# Allegro board AX7021-2019-04-01.brd (continued)
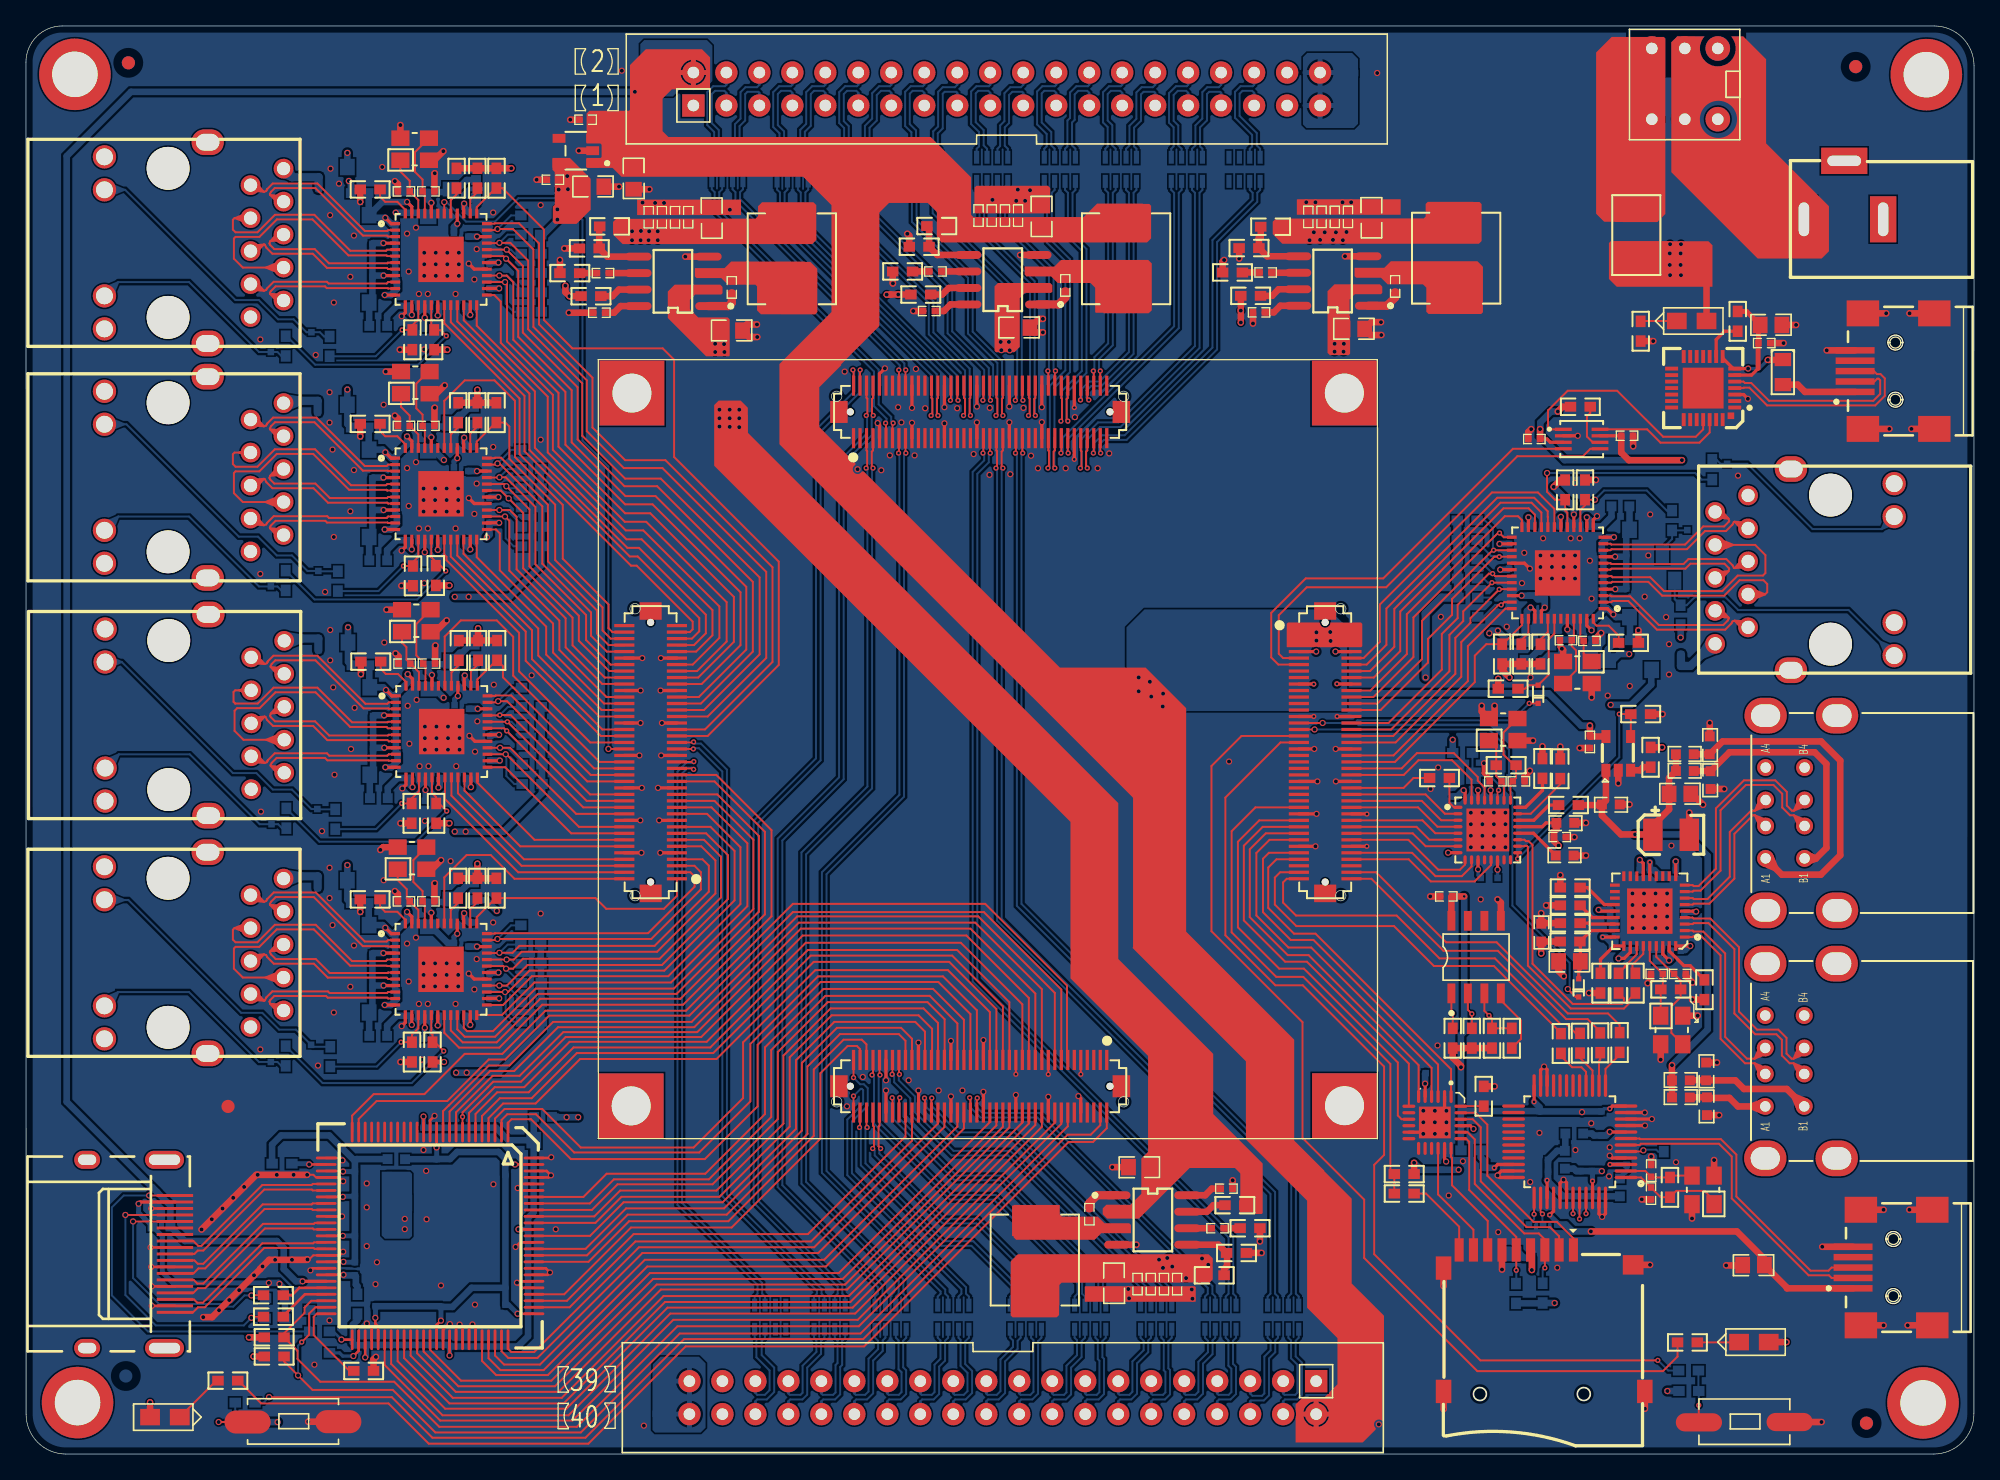
[diagram p0: board, top side]
## Placement (name value [footprint] x y rotation side) (continued)
NOREF  -  [unnamed]  7.89 107.16 0 top
NOREF#2  -  [unnamed]  15.56 26.77 0 top
NOREF#3  -  [#2]  145.91 0.12 90 top
NOREF#4  -  [unnamed]  141.72 2.38 0 top
NOREF#5  -  [#2]  -0.01 8.55 0 top
NOREF#6  -  [unnamed]  140.9 106.87 0 top
NOREF#7  -  [unnamed]  7.88 107.16 180 bottom
NOREF#8  -  [unnamed]  140.9 106.86 180 bottom
NOREF#9  -  [unnamed]  7.69 6.01 180 bottom
NOREF#10  -  [unnamed]  141.74 2.38 180 bottom
Q9  MMBT3904LT1G  [SOT-23]  126.96 68.28 90 bottom
R3  33R  [R0603]  122.72 31.7 270 top
R4  33R  [R0603]  121.22 31.67 270 top
R5  33R  [R0603]  119.67 31.65 270 top
R6  33R  [R0603]  118.2 31.62 270 top
R7  10K  [R0603]  111.26 23.39 0 bottom
R8  12.1K 1%  [R0603]  126.12 22.53 90 bottom
R9  10K  [R0603]  109.87 32.03 270 top
R10  10K  [R0603]  111.34 32.03 270 top
R11  10K  [R0603]  112.89 32.03 270 top
R12  2K  [R0603]  114.42 32.03 270 top
R16  NC  [R0603]  114.74 12.37 270 bottom
R17  4.7K  [R0603]  116.8 12.4 270 bottom
R18  4.7K  [R0603]  112.26 27.56 270 top
R19  10K  [R0603]  106.13 21.57 0 top
R20  330R  [R0603]  106.13 20.06 180 top
R21  330R  [R0603]  129.85 75.82 90 bottom
R22  1K  [R0603]  126.76 71.91 270 bottom
R23  4.7K  [R0603]  115.14 61.62 90 top
R24  1.5K  [R0603]  113.68 61.62 270 top
R25  12.1K 1%  [R0603]  123.4 62.48 180 top
R26  100K  [R0603]  114.13 58.95 180 top
R27  4.7K  [R0603]  118.52 74.27 90 top
R28  4.7K  [R0603]  111.03 65.97 180 bottom
R29  4.7K  [R0603]  116.62 61.62 270 top
R30  4.7K  [R0603]  110.98 71.91 180 bottom
R31  4.7K  [R0603]  110.98 70.41 180 bottom
R32  4.7K  [R0603]  110.98 68.91 180 bottom
R33  4.7K  [R0603]  111.01 67.44 180 bottom
R34  1K  [R0603]  111.03 64.49 0 bottom
R35  1K  [R0603]  120.05 74.27 270 top
R36  1.5K  [R0603]  110.63 54 180 bottom
R37  33R  [R0603]  108.85 52.07 0 top
R38  1M  [R0603]  113.98 53.06 180 top
R39  8K06  [R0603]  116.78 52.81 270 top
R40  10K  [R0603]  118.78 49.99 180 top
R41  100K  [R0603]  125.11 53.67 270 top
R42  10K  [R0603]  124.34 56.99 180 top
R43  0R  [R0603]  25.53 11.55 270 bottom
R44  33R  [R0603]  19.05 12.23 180 top
R45  33R  [R0603]  19.05 10.58 180 top
R46  10K  [R0603]  22.61 7.79 180 bottom
R47  33R  [R0603]  22.61 9.44 180 bottom
R48  4.7K  [R0603]  19.11 8.99 180 top
R49  4.7K  [R0603]  19.11 7.51 180 top
R50  10K  [R0603]  26 6.4 0 top
R51  698R  [R0603]  19.71 22.37 180 bottom
R52  10K  [R0603]  22.61 11.09 0 bottom
R53  10K  [R0603]  19.21 12 0 bottom
R54  10K  [R0603]  19.18 10.44 0 bottom
R55  330R  [R0603]  20 30.66 270 bottom
R56  330R  [R0603]  23.43 30.61 90 bottom
R57  4.7K  [R0603]  34.76 43.59 270 top
R58  1.5K  [R0603]  36.23 43.59 90 top
R59  12.1K 1%  [R0603]  26.5 42.73 0 top
R60  4.7K  [R0603]  31.31 30.96 270 top
R61  4.7K  [R0603]  38.87 39.24 0 bottom
R62  4.7K  [R0603]  33.28 43.59 90 top
R63  4.7K  [R0603]  38.92 33.3 0 bottom
R64  4.7K  [R0603]  38.92 34.79 0 bottom
R65  4.7K  [R0603]  38.92 36.29 0 bottom
R66  4.7K  [R0603]  38.9 37.77 0 bottom
R67  1K  [R0603]  38.87 40.72 180 bottom
R68  1K  [R0603]  29.72 30.96 90 top
R69  330R  [R0603]  20.05 48.97 270 bottom
R70  330R  [R0603]  23.81 48.89 90 bottom
R71  4.7K  [R0603]  34.81 61.9 270 top
R72  1.5K  [R0603]  36.28 61.9 90 top
R73  12.1K 1%  [R0603]  26.55 61.04 0 top
R74  4.7K  [R0603]  31.59 49.35 270 top
R75  4.7K  [R0603]  38.92 57.55 0 bottom
R76  4.7K  [R0603]  33.33 61.9 90 top
R77  4.7K  [R0603]  38.97 51.61 0 bottom
R78  4.7K  [R0603]  38.97 53.11 0 bottom
R79  4.7K  [R0603]  38.97 54.61 0 bottom
R80  4.7K  [R0603]  38.95 56.08 0 bottom
R81  1K  [R0603]  38.92 59.03 180 bottom
R82  1K  [R0603]  29.7 49.35 90 top
R83  330R  [R0603]  20 67.28 270 bottom
R84  330R  [R0603]  24.02 67.23 90 bottom
R85  4.7K  [R0603]  34.76 80.21 270 top
R86  1.5K  [R0603]  36.23 80.21 90 top
R87  12.1K 1%  [R0603]  26.5 79.35 0 top
R88  4.7K  [R0603]  31.56 67.67 270 top
R89  4.7K  [R0603]  38.87 75.87 0 bottom
R90  4.7K  [R0603]  33.28 80.21 90 top
R91  4.7K  [R0603]  38.92 69.92 0 bottom
R92  4.7K  [R0603]  38.92 71.42 0 bottom
R93  4.7K  [R0603]  38.92 72.92 0 bottom
R94  4.7K  [R0603]  38.9 74.39 0 bottom
R95  1K  [R0603]  38.87 77.35 180 bottom
R96  1K  [R0603]  29.8 67.64 90 top
R97  330R  [R0603]  20 85.34 270 bottom
R98  330R  [R0603]  23.38 85.32 90 bottom
R99  4.7K  [R0603]  34.76 98.27 270 top
R100  1.5K  [R0603]  36.23 98.27 90 top
R101  12.1K 1%  [R0603]  26.5 97.41 0 top
R102  4.7K  [R0603]  31.43 85.83 270 top
R103  4.7K  [R0603]  38.87 93.93 0 bottom
R104  4.7K  [R0603]  33.15 98.27 90 top
R105  4.7K  [R0603]  38.92 87.98 0 bottom
R106  4.7K  [R0603]  38.92 89.48 0 bottom
R107  4.7K  [R0603]  38.92 90.98 0 bottom
R108  4.7K  [R0603]  38.9 92.45 0 bottom
R109  1K  [R0603]  38.87 95.41 180 bottom
R110  1K  [R0603]  29.75 85.83 90 top
R111  330R  [R0603]  127.42 64.62 90 bottom
R119  10K  [R0603]  128.05 4.85 180 bottom
R121  1K  [R0603]  128.03 6.43 180 bottom
R123  10K  [R0603]  16.88 2.46 0 bottom
R129  1K  [R0603]  16.88 3.96 0 bottom
R131  220R  [R0603]  127.94 8.6 0 top
R133  220R  [R0603]  15.55 5.65 180 top
R137  680R  [R0603]  124.34 86.49 90 top
R138  47K  [R0603]  68.91 89.32 0 top
R139  56K/1%  [R0603]  70.14 94.59 180 top
R140  10K/1%  [R0603]  68.78 92.99 180 top
R141  2.2K  [R0603]  67.51 91.09 180 top
R142  47K  [R0603]  94.31 89.21 0 top
R143  47K  [R0603]  93.09 19.17 180 top
R144  26.1k/1%  [R0603]  95.84 94.54 180 top
R145  9.5k/1%  [R0603]  91.5 13.77 0 top
R146  10K/1%  [R0603]  94.18 92.89 180 top
R147  10K/1%  [R0603]  93.22 15.49 0 top
R148  2.2K  [R0603]  92.91 91.01 180 top
R149  2.2K  [R0603]  94.26 17.4 0 top
R150  22  [R0603]  122.64 36.27 90 top
R151  22  [R0603]  123.94 36.27 90 top
R152  10K  [R0603]  121.24 36.27 90 top
R153  1.5K  [R0603]  118.9 39.48 180 top
R154  10K  [R0603]  118.91 43.63 0 top
R155  10K  [R0603]  118.91 42.26 0 top
R156  10K  [R0603]  118.91 40.89 0 top
R157  1M  [R0603]  126.65 35.79 180 top
R158  12K 1%  [R0603]  129.25 35.76 90 top
R159  10K  [R0603]  131.81 87.25 90 top
R160  1K  [R0603]  119.69 80.67 0 top
R161  0R  [R0805]  135.29 83.34 270 top
R162  10K  [R0603]  118.15 52.79 90 top
R163  10K  [R0603]  122.26 39.98 90 bottom
R164  1M  [R0603]  126.6 20.54 270 top
R165  2.2K  [R0603]  41.88 90.96 180 top
R166  47K  [R0603]  43.51 89.19 0 top
R167  3.09K/1%  [R0603]  44.94 94.56 180 top
R168  10K/1%  [R0603]  43.38 92.86 180 top
RN1  33R  [RN-8P]  95.61 11.47 270 bottom
RN2  33R  [RN-8P]  55.21 98.08 90 bottom
RN3  33R  [RN-8P]  90.78 11.47 270 bottom
RN4  33R  [RN-8P]  60.24 98.05 90 bottom
RN5  33R  [RN-8P]  85.83 11.47 270 bottom
RN6  33R  [RN-8P]  65.22 98.03 90 bottom
RN7  33R  [RN-8P]  80.75 11.47 270 bottom
RN8  33R  [RN-8P]  70.4 98.03 90 bottom
RN9  33R  [RN-8P]  75.8 11.47 270 bottom
RN10  33R  [RN-8P]  75.61 98.03 90 bottom
RN11  33R  [RN-8P]  70.21 11.47 270 bottom
RN12  33R  [RN-8P]  80.81 98.03 90 bottom
RN13  33R  [RN-8P]  65.38 11.47 270 bottom
RN14  33R  [RN-8P]  85.51 98.03 90 bottom
RN15  33R  [RN-8P]  60.68 11.47 270 bottom
RN16  33R  [RN-8P]  90.59 98.03 90 bottom
RN17  33R  [RN-8P]  56.11 11.47 270 bottom
RN18  33R  [RN-8P]  95.04 98.03 90 bottom
SW1  SW  [KEY_DPDT]  130.28 108.27 270 top
U1  FT232HL  [LQFP-48]  118.88 24.05 90 top
U2  93LC56BISN  [SO8]  109.76 35.48 90 top
U3  CP2102-GM  [QFN-28]  129.15 82.11 180 top
U4  TXS0102DCU  [TSSOP8]  119.8 78.18 270 top
U5  TXS02612RTWR  [QFN24_RTW]  108.49 25.54 270 top
U6  KSZ9031RNX  [QFN_7X7]  117.94 67.87 90 top
U7  -  [USB3320C]  112.57 48.07 0 top
U8  -  [TPS2051BDBV]  121.67 52.67 90 top
U9  SiI9134  [QFP-100]  31.12 16.8 270 top
U10  KSZ9031RNX  [QFN_7X7]  31.96 37.34 270 top
U11  KSZ9031RNX  [QFN_7X7]  32.01 55.65 270 top
U12  KSZ9031RNX  [QFN_7X7]  31.96 73.96 270 top
U13  KSZ9031RNX  [QFN_7X7]  31.96 92.02 270 top
U14  MP2303  [MP1482-SOIC8]  75.26 90.46 90 top
U15  MP1482DS  [MP1482-SOIC8]  100.66 90.35 90 top
U16  MP1482DS  [MP1482-SOIC8]  86.74 18.03 270 top
U17  MP1482DS  [MP1482-SOIC8]  49.86 90.33 90 top
U18  USB2514  [QFN-37]  125.04 41.82 90 top
U19  SPX3819M5-3-3  [SOT-23-5]  42.34 100.39 90 top
Y1  12MHZ  [SX2-1205]  129.14 20.35 90 top
Y2  25MHZ  [SX2-1205]  119.47 60.2 180 top
Y3  24MHZ  [SX2-1205]  113.75 55.8 0 top
Y4  25MHZ  [SX2-1205]  29.73 45.9 0 top
Y5  25MHZ  [SX2-1205]  30.06 64.19 0 top
Y6  25MHZ  [SX2-1205]  29.98 82.52 0 top
Y7  25MHZ  [SX2-1205]  29.93 100.51 0 top
Y8  24MHZ  [SX2-1205]  126.73 32.66 270 top

## Library data of the parts
C1-C5 C8-C17 C22-C47 C52-C62 C64 C65 C81-C103 C108 C117-C129 C134-C154 C160-C181 C186-C197 C202-C208 C213 C214 C219-C246 C251-C253 = CAP NP
C48-C51 C104-C107 C130-C133 C157-C159 C182-C185 = CAP_3
C63 = CAP POL
C66-C80 C198-C201 C209-C212 C215-C218 C247-C250 = C_1
C109-C116 C155 = CAP NP: signal model: C0402
C156 = CAP_3: signal model: C0402
CN1 = AJ243_0
CON1-CON4 = CON40X2_0_1
D1-D3 = BZX84C36/SOT_0
F1 = FUSE/SM
F2 = FUSE
H1-H4 HOLE1-HOLE4 = TEST POINT
J1 J2 = USB_B_3
J3 = Micro SD_1
J4 J10-J13 = GE_RJ45_2
J5 J6 = DUAL USB
J9 = HDMI Connector_0
J15 J16 = HEADER 20x2/M
KEY1 KEY2 = Button_0
L1-L27 L29 L30 = INDUCTOR
LED1 LED2 = LN211WP
LED9 = LED
Q9 = L14P2/TO_1
R3-R12 R16-R20 R23-R42 R57-R63 R65-R68 R71-R82 R85-R96 R99-R110 R119 R121 R123 R129 R131 R133 R137-R159 R162-R168 = RESISTOR
R21 R22 R55 R56 R69 R70 R83 R84 R97 R98 R111 = R_2
R43-R54 = R_0
R64 = RESISTOR: signal model: R_GENERIC_R0402_33R_33R
R160 R161 = RESISTOR_0
RN1-RN16 RN18 = RESARR_IS_4/SM
RN17 = RESARR_IS_4/SM: signal model: RESARR_IS_4/SM_RN-8P_33R_33R
SW1 = SW KEY-DPDT
U1 = FT232HL_0
U2 = 93LC56BISN_0
U3 = CP2102_2
U4 = TXS0102DCU_1
U5 = TXS02612RTWR_0
U6 U10-U13 = KS8995M_4
U7 = USB3320C-EZK_6
U8 = TPS2051BDBV
U9 = SiI9134_0
U14-U17 = MP2305
U18 = USB2514_0
U19 = SPX3819M5-2-5
Y1-Y8 = X3_0

## Footprints (pads in the part's own frame, mm; a bottom-side part is the same pattern mirrored in y, then rotated)
1000K-F80E-01L-A
  round 0.55 hole 0.55 unplated: (-10,0) (10,0)
  rect 0.25x1.55 smd: 1(-9.75,-2.025) 2(-9.75,2.025) 3(-9.25,-2.025) 4(-9.25,2.025) 5(-8.75,-2.025) 6(-8.75,2.025) 7(-8.25,-2.025) 8(-8.25,2.025) 9(-7.75,-2.025) 10(-7.75,2.025) 11(-7.25,-2.025) 12(-7.25,2.025) 13(-6.75,-2.025) 14(-6.75,2.025) 15(-6.25,-2.025) 16(-6.25,2.025) 17(-5.75,-2.025) 18(-5.75,2.025) 19(-5.25,-2.025) 20(-5.25,2.025) 21(-4.75,-2.025) 22(-4.75,2.025) 23(-4.25,-2.025) 24(-4.25,2.025) 25(-3.75,-2.025) 26(-3.75,2.025) 27(-3.25,-2.025) 28(-3.25,2.025) 29(-2.75,-2.025) 30(-2.75,2.025) 31(-2.25,-2.025) 32(-2.25,2.025) 33(-1.75,-2.025) 34(-1.75,2.025) 35(-1.25,-2.025) 36(-1.25,2.025) 37(-0.75,-2.025) 38(-0.75,2.025) 39(-0.25,-2.025) 40(-0.25,2.025) 41(0.25,-2.025) 42(0.25,2.025) 43(0.75,-2.025) 44(0.75,2.025) 45(1.25,-2.025) 46(1.25,2.025) 47(1.75,-2.025) 48(1.75,2.025) 49(2.25,-2.025) 50(2.25,2.025) 51(2.75,-2.025) 52(2.75,2.025) 53(3.25,-2.025) 54(3.25,2.025) 55(3.75,-2.025) 56(3.75,2.025) 57(4.25,-2.025) 58(4.25,2.025) 59(4.75,-2.025) 60(4.75,2.025) 61(5.25,-2.025) 62(5.25,2.025) 63(5.75,-2.025) 64(5.75,2.025) 65(6.25,-2.025) 66(6.25,2.025) 67(6.75,-2.025) 68(6.75,2.025) 69(7.25,-2.025) 70(7.25,2.025) 71(7.75,-2.025) 72(7.75,2.025) 73(8.25,-2.025) 74(8.25,2.025) 75(8.75,-2.025) 76(8.75,2.025) 77(9.25,-2.025) 78(9.25,2.025) 79(9.75,-2.025) 80(9.75,2.025)
  rect 1.35x1.7 smd: 81(-10.875,0) 84(10.875,0)
BAS16XV2T1G
  rect 0.406x0.406 smd: 1(-0.7,0) 2(0.7,0)
C0402
  rect 0.508x0.508 smd: 1(-0.457,0) 2(0.457,0)
C0603
  rect 0.762x0.762 smd: 1(-0.686,0) 2(0.686,0)
C0805
  rect 1.143x1.27 smd: 1(-0.838,0) 2(0.838,0)
CN1-DCJACK
  rect 3.556x2.032 hole 2.6x0.8: 1(0,0) 3(0,6.1)
  rect 2.032x3.556 hole 0.8x2.6: 2(4.5,2.997)
DUAL_USB
  round 1.308 hole 0.8: A1(-3.5,2.75) A2(-1,2.75) A3(1,2.75) A4(3.5,2.75) B1(-3.5,-0.25) B2(-1,-0.25) B3(1,-0.25) B4(3.5,-0.25)
  oval 2.754x3.262 hole 1.738x2.246: S1(-7.5,2.75) S2(-7.5,-2.75) S3(7.5,2.75) S4(7.5,-2.75)
FPAD_1
  rect 5x5 hole 3: 1(0,0)
FUSE_1812
  rect 1.829x3.251 smd: 1(-1.93,0) 2(1.93,0)
GE_RJ45
  round 3.3 hole 3.3 unplated: (0,11.48) (0,0)
  round 1.8 hole 1.3: 11(4.9,-0.885) 12(4.9,1.655) 13(4.9,9.825) 14(4.9,12.365)
  oval 2.489x1.981 hole 1.8x1.292: 15(-3.05,-2.01) 16(-3.05,13.49)
  round 1.524 hole 1.016: P1(-8.89,0.025) P2(-6.35,1.295) P3(-8.89,2.565) P4(-6.35,3.835) P5(-8.89,5.105) P6(-6.35,6.375) P7(-8.89,7.645) P8(-6.35,8.915) P9(-8.89,10.185) P10(-6.35,11.455)
HDMI_A_TYPE
  rect 2.8x0.229 smd: 1(-1.15,-12) 2(-1.15,-11.5) 3(-1.15,-11) 4(-1.15,-10.5) 5(-1.15,-10) 6(-1.15,-9.5) 7(-1.15,-9) 8(-1.15,-8.5) 9(-1.15,-8) 10(-1.15,-7.5) 11(-1.15,-7) 12(-1.15,-6.5) 13(-1.15,-6) 14(-1.15,-5.5) 15(-1.15,-5) 16(-1.15,-4.5) 17(-1.15,-4) 18(-1.15,-3.5) 19(-1.15,-3)
  oval 3x1.4 hole 2.4x0.8: 20(-1.95,-14.75) 21(-1.95,-0.25)
  oval 2x1.4 hole 1.4x0.8: 22(-7.91,-14.75) 23(-7.91,-0.25)
HOLE
  round 5.516 hole 3.5: 1(0,0)
IDC-40J
  rect 1.727x1.727 hole 0.889: 1(-24.13,-1.27)
  round 1.727 hole 0.889: 2(-24.13,1.27) 3(-21.59,-1.27) 4(-21.59,1.27) 5(-19.05,-1.27) 6(-19.05,1.27) 7(-16.51,-1.27) 8(-16.51,1.27) 9(-13.97,-1.27) 10(-13.97,1.27) 11(-11.43,-1.27) 12(-11.43,1.27) 13(-8.89,-1.27) 14(-8.89,1.27) 15(-6.35,-1.27) 16(-6.35,1.27) 17(-3.81,-1.27) 18(-3.81,1.27) 19(-1.27,-1.27) 20(-1.27,1.27) 21(1.27,-1.27) 22(1.27,1.27) 23(3.81,-1.27) 24(3.81,1.27) 25(6.35,-1.27) 26(6.35,1.27) 27(8.89,-1.27) 28(8.89,1.27) 29(11.43,-1.27) 30(11.43,1.27) 31(13.97,-1.27) 32(13.97,1.27) 33(16.51,-1.27) 34(16.51,1.27) 35(19.05,-1.27) 36(19.05,1.27) 37(21.59,-1.27) 38(21.59,1.27) 39(24.13,-1.27) 40(24.13,1.27)
KEY735SO
  oval 3.556x1.778 smd: 1(0,0) 2(6.985,0.025)
KEY735SO#2
  oval 3.556x1.4 smd: 1(0,0) 2(6.985,0.025)
KEY_DPDT
  round 1.905 hole 0.889: 1(0,0) 2(0,-2.54) 3(0,-5.08) 4(5.45,0) 5(5.45,-2.54) 6(5.45,-5.08)
L0603
  rect 0.762x0.762 smd: 1(-0.686,0) 2(0.686,0)
LEDSO
  rect 1.524x1.27 smd: 1(2.286,0) 2(0,0)
LQFP-48
  oval 0.254x1.753 smd: 1(-2.75,-4.327) 2(-2.25,-4.327) 3(-1.75,-4.327) 4(-1.25,-4.327) 5(-0.75,-4.327) 6(-0.25,-4.327) 7(0.25,-4.327) 8(0.75,-4.327) 9(1.25,-4.327) 10(1.75,-4.327) 11(2.25,-4.327) 12(2.75,-4.327) 25(2.75,4.327) 26(2.25,4.327) 27(1.75,4.327) 28(1.25,4.327) 29(0.75,4.327) 30(0.25,4.327) 31(-0.25,4.327) 32(-0.75,4.327) 33(-1.25,4.327) 34(-1.75,4.327) 35(-2.25,4.327) 36(-2.75,4.327)
  oval 1.753x0.254 smd: 13(4.327,-2.75) 14(4.327,-2.25) 15(4.327,-1.75) 16(4.327,-1.25) 17(4.327,-0.75) 18(4.327,-0.25) 19(4.327,0.25) 20(4.327,0.75) 21(4.327,1.25) 22(4.327,1.75) 23(4.327,2.25) 24(4.327,2.75) 37(-4.327,2.75) 38(-4.327,2.25) 39(-4.327,1.75) 40(-4.327,1.25) 41(-4.327,0.75) 42(-4.327,0.25) 43(-4.327,-0.25) 44(-4.327,-0.75) 45(-4.327,-1.25) 46(-4.327,-1.75) 47(-4.327,-2.25) 48(-4.327,-2.75)
MICRO_SD
  rect 0.7x1.8 smd: 1(0,0) 2(-1.1,0) 3(-2.2,0) 4(-3.3,0) 5(-4.4,0) 6(-5.5,0) 7(-6.6,0) 8(-7.7,0) 9(-8.8,0)
  rect 1.6x1.5 smd: 10(4.6,-1.15)
  rect 1.2x1.8 smd: 11(-10,-1.4) 12(-10,-10.9) 13(5.5,-10.9)
MINIUSBB
  rect 3x0.5 smd: 1(0,1.6) 2(0,0.8) 3(0,0) 4(0,-0.8) 5(0,-1.6)
  rect 2.5x2 smd: 6(-0.6,-4.45) 7(-6.1,-4.45) 8(-0.6,4.45) 9(-6.1,4.45)
MP1482-SOIC8
  oval 0.61x2.032 smd: 1(-1.905,-2.7) 2(-0.635,-2.7) 3(0.635,-2.7) 4(1.905,-2.7) 5(1.905,2.7) 6(0.635,2.7) 7(-0.635,2.7) 8(-1.905,2.7)
QFN24_RTW
  oval 1x0.25 smd: 1(-2,1.25) 2(-2,0.75) 3(-2,0.25) 4(-2,-0.25) 5(-2,-0.75) 6(-2,-1.25) 13(2,-1.25) 14(2,-0.75) 15(2,-0.25) 16(2,0.25) 17(2,0.75) 18(2,1.25)
  oval 0.25x1 smd: 7(-1.25,-2) 8(-0.75,-2) 9(-0.25,-2) 10(0.25,-2) 11(0.75,-2) 12(1.25,-2) 19(1.25,2) 20(0.75,2) 21(0.25,2) 22(-0.25,2) 23(-0.75,2) 24(-1.25,2)
  rect 2.45x2.45 smd: 25(0,0)
QFN-28
  rect 1x0.3 smd: 1(-2.43,1.5) 2(-2.43,1) 3(-2.43,0.5) 4(-2.43,0) 5(-2.43,-0.5) 6(-2.43,-1) 7(-2.43,-1.5) 15(2.43,-1.5) 16(2.43,-1) 17(2.43,-0.5) 18(2.43,0) 19(2.43,0.5) 20(2.43,1) 21(2.43,1.5)
  rect 0.3x1 smd: 8(-1.5,-2.43) 9(-1,-2.43) 10(-0.5,-2.43) 11(0,-2.43) 12(0.5,-2.43) 13(1,-2.43) 14(1.5,-2.43) 22(1.5,2.43) 23(1,2.43) 24(0.5,2.43) 25(0,2.43) 26(-0.5,2.43) 27(-1,2.43) 28(-1.5,2.43)
  rect 3.15x3.15 smd: 29(0,0)
  rect 0.508x0.508 smd: 30(-2.134,2.134)
QFN-37
  rect 0.25x0.754 smd: 1(-2,-2.688) 2(-1.5,-2.688) 3(-1,-2.688) 4(-0.5,-2.688) 5(0,-2.688) 6(0.5,-2.688) 7(1,-2.688) 8(1.5,-2.688) 9(2,-2.688) 19(2,2.688) 20(1.5,2.688) 21(1,2.688) 22(0.5,2.688) 23(0,2.688) 24(-0.5,2.688) 25(-1,2.688) 26(-1.5,2.688) 27(-2,2.688)
  rect 0.754x0.25 smd: 10(2.688,-2) 11(2.688,-1.5) 12(2.688,-1) 13(2.688,-0.5) 14(2.688,0) 15(2.688,0.5) 16(2.688,1) 17(2.688,1.5) 18(2.688,2) 28(-2.688,2) 29(-2.688,1.5) 30(-2.688,1) 31(-2.688,0.5) 32(-2.688,0) 33(-2.688,-0.5) 34(-2.688,-1) 35(-2.688,-1.5) 36(-2.688,-2)
  rect 3.5x3.5 smd: 37(0,0)
QFN_7X7
  rect 0.25x0.754 smd: 1(-2.75,-3.527) 2(-2.25,-3.527) 3(-1.75,-3.527) 4(-1.25,-3.527) 5(-0.75,-3.527) 6(-0.25,-3.527) 7(0.25,-3.527) 8(0.75,-3.527) 9(1.25,-3.527) 10(1.75,-3.527) 11(2.25,-3.527) 12(2.75,-3.527) 25(2.75,3.527) 26(2.25,3.527) 27(1.75,3.527) 28(1.25,3.527) 29(0.75,3.527) 30(0.25,3.527) 31(-0.25,3.527) 32(-0.75,3.527) 33(-1.25,3.527) 34(-1.75,3.527) 35(-2.25,3.527) 36(-2.75,3.527)
  rect 0.754x0.25 smd: 13(3.527,-2.75) 14(3.527,-2.25) 15(3.527,-1.75) 16(3.527,-1.25) 17(3.527,-0.75) 18(3.527,-0.25) 19(3.527,0.25) 20(3.527,0.75) 21(3.527,1.25) 22(3.527,1.75) 23(3.527,2.25) 24(3.527,2.75) 37(-3.527,2.75) 38(-3.527,2.25) 39(-3.527,1.75) 40(-3.527,1.25) 41(-3.527,0.75) 42(-3.527,0.25) 43(-3.527,-0.25) 44(-3.527,-0.75) 45(-3.527,-1.25) 46(-3.527,-1.75) 47(-3.527,-2.25) 48(-3.527,-2.75)
  rect 3.5x3.5 smd: 49(0,0)
QFP-100
  oval 1.6x0.22 smd: 1(-8,6) 2(-8,5.5) 3(-8,5) 4(-8,4.5) 5(-8,4) 6(-8,3.5) 7(-8,3) 8(-8,2.5) 9(-8,2) 10(-8,1.5) 11(-8,1) 12(-8,0.5) 13(-8,0) 14(-8,-0.5) 15(-8,-1) 16(-8,-1.5) 17(-8,-2) 18(-8,-2.5) 19(-8,-3) 20(-8,-3.5) 21(-8,-4) 22(-8,-4.5) 23(-8,-5) 24(-8,-5.5) 25(-8,-6) 51(8,-6) 52(8,-5.5) 53(8,-5) 54(8,-4.5) 55(8,-4) 56(8,-3.5) 57(8,-3) 58(8,-2.5) 59(8,-2) 60(8,-1.5) 61(8,-1) 62(8,-0.5) 63(8,0) 64(8,0.5) 65(8,1) 66(8,1.5) 67(8,2) 68(8,2.5) 69(8,3) 70(8,3.5) 71(8,4) 72(8,4.5) 73(8,5) 74(8,5.5) 75(8,6)
  oval 0.22x1.6 smd: 26(-6,-8) 27(-5.5,-8) 28(-5,-8) 29(-4.5,-8) 30(-4,-8) 31(-3.5,-8) 32(-3,-8) 33(-2.5,-8) 34(-2,-8) 35(-1.5,-8) 36(-1,-8) 37(-0.5,-8) 38(0,-8) 39(0.5,-8) 40(1,-8) 41(1.5,-8) 42(2,-8) 43(2.5,-8) 44(3,-8) 45(3.5,-8) 46(4,-8) 47(4.5,-8) 48(5,-8) 49(5.5,-8) 50(6,-8) 76(6,8) 77(5.5,8) 78(5,8) 79(4.5,8) 80(4,8) 81(3.5,8) 82(3,8) 83(2.5,8) 84(2,8) 85(1.5,8) 86(1,8) 87(0.5,8) 88(0,8) 89(-0.5,8) 90(-1,8) 91(-1.5,8) 92(-2,8) 93(-2.5,8) 94(-3,8) 95(-3.5,8) 96(-4,8) 97(-4.5,8) 98(-5,8) 99(-5.5,8) 100(-6,8)
R0603
  rect 0.889x0.762 smd: 1(-0.762,0) 2(0.762,0)
R0805
  rect 1.016x1.27 smd: 1(-0.965,0) 2(0.965,0)
RN-8P
  rect 1x0.4 smd: 1(0,0) 2(0,-0.8) 3(0,-1.6) 4(0,-2.4) 5(1.858,-2.4) 6(1.858,-1.6) 7(1.858,-0.8) 8(1.858,0)
SMTDR75-100M
  rect 2.349x3.5 smd: 1(-3.025,0) 2(3.025,0)
SO8
  rect 1.524x0.61 smd: 1(0,0) 2(0,-1.27) 3(0,-2.54) 4(0,-3.81) 5(5.588,-3.81) 6(5.588,-2.54) 7(5.588,-1.27) 8(5.588,0)
SOT-23
  rect 1.397x1.016 smd: 1(0.986,-0.948) 2(0.986,0.952) 3(-1.006,0.002)
SOT-23-5
  rect 0.686x0.991 smd: 1(-0.95,-1.295) 2(0,-1.295) 3(0.95,-1.295) 4(0.95,1.295) 5(-0.95,1.295)
SX2-1205
  rect 1.397x1.194 smd: 1(-1.1,-0.85) 2(1.1,-0.85) 3(1.1,0.85) 4(-1.1,0.85)
TAN-SMB
  rect 1.5x2.5 smd: 1(1.4,0) 2(-1.4,0)
TPS2051BDBV
  rect 1x0.7 smd: 1(0,0) 2(0,-0.95) 3(0,-1.9) 4(2.6,-1.9) 5(2.6,0)
TSSOP8
  rect 0.254x1.295 smd: 1(-0.75,-1.412) 2(-0.25,-1.412) 3(0.25,-1.412) 4(0.75,-1.412) 5(0.75,1.412) 6(0.25,1.412) 7(-0.25,1.412) 8(-0.75,1.412)
unnamed
  round 1.016 smd: 1(0,0)
USB3320C
  oval 0.711x0.254 smd: 1(-2.3,1.75) 2(-2.3,1.25) 3(-2.3,0.75) 4(-2.3,0.25) 5(-2.3,-0.25) 6(-2.3,-0.75) 7(-2.3,-1.25) 8(-2.3,-1.75) 17(2.3,-1.75) 18(2.3,-1.25) 19(2.3,-0.75) 20(2.3,-0.25) 21(2.3,0.25) 22(2.3,0.75) 23(2.3,1.25) 24(2.3,1.75)
  oval 0.254x0.711 smd: 9(-1.75,-2.3) 10(-1.25,-2.3) 11(-0.75,-2.3) 12(-0.25,-2.3) 13(0.25,-2.3) 14(0.75,-2.3) 15(1.25,-2.3) 16(1.75,-2.3) 25(1.75,2.3) 26(1.25,2.3) 27(0.75,2.3) 28(0.25,2.3) 29(-0.25,2.3) 30(-0.75,2.3) 31(-1.25,2.3) 32(-1.75,2.3)
  rect 3.3x3.3 smd: 33(0,0)

## Nets
GND: C1.2 C2.2 C3.1 C4.1 C5.2 C8.2 C9.2 C10.2 C11.2 C12.2 C13.2 C14.2 C15.2 C16.2 C17.2 C22.2 C23.2 C24.2 C25.2 C26.2 C27.2 C28.2 C29.2 C30.2 C31.2 C32.2 C33.2 C34.2 C35.2 C36.2 C37.2 C38.2 C39.2 C40.2 C41.2 C42.2 C43.2 C44.2 C45.2 C46.2 C47.2 C48.2 C49.2 C50.2 C51.2 C52.2 C53.2 C54.2 C55.2 C56.2 C57.2 C58.1 C59.1 C60.1 C61.2 C62.2 C63.2 C64.2 C65.2 C66.2 C67.2 C68.2 C69.2 C70.2 C71.2 C72.2 C73.2 C74.2 C75.2 C76.1 C77.2 C78.2 C79.2 C80.2 C81.2 C82.2 C83.2 C84.2 C85.2 C86.2 C87.2 C88.2 C89.2 C90.2 C91.2 C92.2 C93.2 C94.2 C95.2 C96.2 C97.2 C98.2 C99.2 C100.2 C101.2 C102.2 C103.2 C104.2 C105.2 C106.2 C107.2 C108.2 C109.2 C110.2 C111.2 C112.2 C113.2 C114.2 C115.2 C116.2 C117.2 C118.2 C119.2 C120.2 C121.2 C122.2 C123.2 C124.2 C125.2 C126.2 C127.2 C128.2 C129.2 C130.2 C131.2 C132.2 C133.2 C134.2 C135.2 C136.2 C137.2 C138.2 C139.2 C140.2 C141.2 C142.2 C143.2 C144.2 C145.2 C146.2 C147.2 C148.2 C149.2 C150.2 C151.2 C152.2 C153.2 C154.2 C155.2 C156.2 C157.2 C158.2 C159.2 C160.2 C161.2 C162.2 C163.2 C164.2 C165.2 C166.2 C167.2 C168.2 C169.2 C170.2 C171.2 C172.2 C173.2 C174.2 C175.2 C176.2 C177.2 C178.2 C179.2 C180.2 C181.2 C182.2 C183.2 C184.2 C185.2 C186.2 C187.2 C188.2 C189.2 C190.2 C191.2 C192.2 C193.2 C195.2 C196.2 C197.2 C198.2 C199.2 C200.2 C201.2 C205.2 C206.2 C207.2 C208.2 C209.2 C210.2 C211.2 C212.2 C213.2 C214.2 C215.2 C216.2 C217.2 C218.2 C221.2 C222.2 C223.2 C224.2 C225.2 C226.2 C227.2 C228.2 C229.2 C230.2 C231.2 C232.2 C233.2 C234.1 C235.1 C236.2 C237.2 C238.2 C239.2 C240.2 C241.2 C242.2 C243.1 C244.1 C245.2 C247.2 C248.2 C249.2 C250.2 C251.2 C253.2 CN1.1 CN1.2 CON1.9 CON1.10 CON1.19 CON1.20 CON1.29 CON1.30 CON1.39 CON1.40 CON1.49 CON1.50 CON1.59 CON1.60 CON1.69 CON1.70 CON2.9 CON2.10 CON2.19 CON2.20 CON2.29 CON2.30 CON2.39 CON2.40 CON2.49 CON2.50 CON2.59 CON2.60 CON2.69 CON2.70 CON3.9 CON3.10 CON3.19 CON3.20 CON3.29 CON3.30 CON3.39 CON3.40 CON3.49 CON3.50 CON3.59 CON3.60 CON3.69 CON3.70 CON4.9 CON4.10 CON4.19 CON4.20 CON4.29 CON4.30 CON4.39 CON4.40 CON4.49 CON4.50 CON4.59 CON4.60 CON4.69 CON4.70 H1.1 H2.1 H3.1 H4.1 HOLE1.1 HOLE2.1 HOLE3.1 HOLE4.1 J1.5(GND) J1.6(SH1) J1.7(SH2) J1.8(SH3) J1.9(SH4) J2.5(GND) J2.6(SH1) J2.7(SH2) J2.8(SH3) J2.9(SH4) J3.6(VSS) J3.10(GND#10) J3.11(GND#11) J3.12(GND#12) J3.13(GND#13) J4.12(LD1_K) J4.15(M1) J4.16(M2) J4.P10(CASE) J5.A4(GND1) J5.B4(GND2) J5.S1(SH1) J5.S2(SH2) J5.S3(SH3) J5.S4(SH4) J6.A4(GND1) J6.B4(GND2) J6.S1(SH1) J6.S2(SH2) J6.S3(SH3) J6.S4(SH4) J9.2(D2 SHIELD) J9.5(D1 SHIELD) J9.8(D0 SHIELD) J9.11(CK SHIELD) J9.17(GND) J9.20(SHELL1) J9.21(SHELL2) J9.22(SHELL3) J9.23(SHELL4) J10.15(M1) J10.16(M2) J10.P10(CASE) J11.15(M1) J11.16(M2) J11.P10(CASE) J12.15(M1) J12.16(M2) J12.P10(CASE) J13.15(M1) J13.16(M2) J13.P10(CASE) J15.1 J15.37 J15.38 J16.1 J16.37 J16.38 KEY1.2(P2) KEY2.2(P2) Q9.2(EMITTER) R8.1 R18.1 R25.1 R34.1 R35.1 R39.1 R42.1 R46.2 R50.2 R52.2 R59.1 R67.1 R68.1 R73.1 R81.1 R82.1 R87.1 R95.1 R96.1 R101.1 R109.1 R110.1 R137.1 R140.2 R141.2 R146.2 R147.2 R148.2 R149.2 R152.1 R154.1 R155.1 R156.1 R158.1 R162.2 R165.2 R168.2 U1.4(AGND1) U1.9(AGND2) U1.10(GND1) U1.11(GND2) U1.22(GND3) U1.23(GND4) U1.35(GND5) U1.36(GND6) U1.41(AGND3) U1.42(TEST) U1.47(GND7) U1.48(GND8) U2.5(VSS) U3.3(GND) U4.2(GND) U5.2(GND1) U5.11(GND2) U5.25(EPAD) U6.13(NC1) U6.29(VSS) U6.49(P_GND) U7.33(GND) U8.2(GND) U9.13(GND#13) U9.26(AGND#26) U9.29(AGND#29) U9.35(AGND#35) U9.41(AGND#41) U9.43(AGND#43) U9.54(GND#54) U9.65(GND#65) U9.67(D27) U9.68(D26) U9.69(D25) U9.70(D24) U9.80(D15) U9.81(D14) U9.82(D13) U9.83(D12) U9.87(GND#87) U9.95(D3) U9.96(D2) U9.97(D1) U9.98(D0) U9.100(GND#100) U10.13(NC1) U10.29(VSS) U10.49(P_GND) U11.13(NC1) U11.29(VSS) U11.49(P_GND) U12.13(NC1) U12.29(VSS) U12.49(P_GND) U13.13(NC1) U13.29(VSS) U13.49(P_GND) U14.4(GND) U15.4(GND) U16.4(GND) U17.4(GND) U18.37(VSS_PAD) U19.2(GND) Y1.2 Y1.4 Y2.2 Y2.4 Y3.2 Y3.4 Y4.2 Y4.4 Y5.2 Y5.4 Y6.2 Y6.4 Y7.2 Y7.4 Y8.2 Y8.4
VBUS1: C237.1 J5.A1(VBUS1) L26.1
VBUS2: C238.1 J5.B1(VBUS2) L29.1
VBUS3: C241.1 J6.A1(VBUS1) L27.1
VBUS4: C242.1 J6.B1(VBUS2) L30.1
VCC1V2: C34.1 C35.1 C36.1 C37.1 C38.1 C39.1 C90.1 C91.1 C92.1 C93.1 C94.1 C95.1 C116.1 C117.1 C118.1 C119.1 C120.1 C121.1 C142.1 C143.1 C144.1 C145.1 C146.1 C147.1 C168.1 C169.1 C170.1 C171.1 C172.1 C173.1 C247.1 C248.1 C249.1 C250.1 C253.1 L5.1 L6.1 L11.1 L12.1 L14.1 L15.1 L17.1 L18.1 L20.1 L21.1 L25.2 R167.1 U6.14(DVDDL1) U6.18(DVDDL2) U6.23(DVDDL6) U6.26(DVDDL3) U6.30(DVDDL4) U6.39(DVDDL5) U10.14(DVDDL1) U10.18(DVDDL2) U10.23(DVDDL6) U10.26(DVDDL3) U10.30(DVDDL4) U10.39(DVDDL5) U11.14(DVDDL1) U11.18(DVDDL2) U11.23(DVDDL6) U11.26(DVDDL3) U11.30(DVDDL4) U11.39(DVDDL5) U12.14(DVDDL1) U12.18(DVDDL2) U12.23(DVDDL6) U12.26(DVDDL3) U12.30(DVDDL4) U12.39(DVDDL5) U13.14(DVDDL1) U13.18(DVDDL2) U13.23(DVDDL6) U13.26(DVDDL3) U13.30(DVDDL4) U13.39(DVDDL5)
VCC1V8: C24.1 C26.1 C27.1 C28.1 C29.1 C54.1 C55.1 C56.1 C81.1 C214.1 C215.1 C216.1 C217.1 C218.1 L8.2 L9.2 L24.2 R23.1 R24.2 R26.2 R27.2 R28.2 R29.2 R30.2 R31.2 R32.2 R33.2 R36.2 R145.1 U5.5(VCCA) U6.16(DVDDH1) U6.34(DVDDH2) U6.40(DVDDH3) U7.8(REFSEL0) U7.11(REFSEL1) U7.14(REFSEL2) U7.28(VDD18_2) U7.30(VDD18_1) U7.32(VDDIO)
VCC3V3: C22.1 C23.1 C25.1 C30.1 C52.1 C53.1 C86.1 C112.1 C138.1 C164.1 C191.1 C193.1 C208.1 C209.1 C210.1 C211.1 C212.1 C223.1 C224.1 C225.1 C226.1 C227.1 C228.1 C229.1 C239.1 C240.1 J3.4(VDD) J4.14(LD2_A) J10.11(LD1_A) J10.14(LD2_A) J11.11(LD1_A) J11.14(LD2_A) J12.11(LD1_A) J12.14(LD2_A) J13.11(LD1_A) J13.14(LD2_A) J15.39 J15.40 J16.39 J16.40 L4.1 L7.1 L10.1 L13.1 L16.1 L19.1 L23.2 LED1.1(ANODE) LED2.1(ANODE) R16.2 R17.2 R19.2 R41.1 R48.2 R49.2 R111.1 R119.2 R123.2 R144.1 R153.2 R160.1 R163.2 U4.3(VCCA) U4.7(VCCB) U5.17(VCCB1) U5.21(VCCB0) U7.21(VBAT) U18.5(VDD33_1) U18.10(VDD33_2) U18.15(VDD33_3) U18.23(VDD33_4) U18.29(VDD33_5) U18.36(VDD33_6)
VCC5V: C61.1 C186.1 C189.1 C190.1 C192.1 C197.1 C198.1 C199.1 C200.1 C201.1 CON1.1 CON1.2 CON1.3 CON1.4 CON1.5 CON1.6 CON1.7 CON1.8 F1.1 J15.2 J16.2 L22.2 R139.1 U8.5(IN) U9.45(DDCPWR5V) U19.1(VIN) U19.3(EN)
VCC12V: C195.1 C205.1 C206.1 C251.1 F2.2 LED9.1(ANODE) R138.1 R142.1 R143.1 R166.1 U14.2(IN) U15.2(IN) U16.2(IN) U17.2(IN)
9134_CLK: CON4.57 U9.88(IDCK)
9134_D0: CON4.45 U9.94(D4)
9134_D1: CON4.47 U9.93(D5)
9134_D2: CON4.51 U9.92(D6)
9134_D3: CON4.53 U9.91(D7)
9134_D4: CON4.55 U9.90(D8)
9134_D5: CON4.61 U9.86(D9)
9134_D6: CON4.63 U9.85(D10)
9134_D7: CON4.75 U9.84(D11)
9134_D8: CON4.77 U9.79(D16)
9134_D9: CON4.64 U9.78(D17)
9134_D10: CON4.62 U9.77(D18)
9134_D11: CON4.54 U9.75(D19)
9134_D12: CON4.52 U9.74(D20)
9134_D13: CON4.48 U9.73(D21)
9134_D14: CON4.46 U9.72(D22)
9134_D15: CON4.38 U9.71(D23)
9134_D16: CON4.36 U9.63(D28)
9134_D17: CON4.34 U9.62(D29)
9134_D18: CON4.32 U9.61(D30)
9134_D19: CON4.28 U9.60(D31)
9134_D20: CON4.26 U9.59(D32)
9134_D21: CON4.24 U9.58(D33)
9134_D22: CON4.22 U9.57(D34)
9134_D23: CON4.18 U9.56(D35)
9134_DE: CON4.43 U9.1(DE)
9134_HS: CON4.41 U9.2(HSYNC)
9134_INT: CON4.15 U9.24(INT)
9134_MCLK: CON4.33 U9.5(MCLK)
9134_NRESET: CON4.13 U9.25(RESET#)
9134_SCK: CON4.17 U9.11(SCK)
9134_SCL: CON4.16 R48.1 U9.48(CSCL)
9134_SD0: CON4.23 U9.9(SD0)
9134_SD1: CON4.25 U9.8(SD1)
9134_SD2: CON4.27 U9.7(SD2)
9134_SD3: CON4.31 U9.6(SD3)
9134_SDA: CON4.14 R49.1 U9.49(CSDA)
9134_SPDIF: CON4.35 U9.4(SPDIF)
9134_VS: CON4.37 U9.3(VSYNC)
9134_WS: CON4.21 U9.10(WS)
+3P3OUTV: C8.1 C12.1 C14.1 L1.1 L2.1 L3.1 U1.39(VCCD)
+3P3V: C9.1 C10.1 C11.1 C16.1 C17.1 L3.2 R7.1 R9.2 R10.2 R11.2 U1.12(VCCIO1) U1.24(VCCIO2) U1.46(VCCIO3) U2.8(VCC)
CEC_A: J9.13(CE REMOTE)
DN1: J5.A2(D1-) U18.1(DN1)
DN2: J5.B2(D2-) U18.3(DN2)
DN3: J6.A2(D1-) U18.6(DN3)
DN4: J6.B2(D2-) U18.8(DN4)
DP1: J5.A3(D1+) U18.2(DP1)
DP2: J5.B3(D2+) U18.4(DP2)
DP3: J6.A3(D1+) U18.7(DP3)
DP4: J6.B3(D2+) U18.9(DP4)
DSCL: J9.15(DDC CLK) R44.2 R53.1
DSDA: J9.16(DDC DATA) R45.2 R54.1
EECLK: R10.1 U1.44(EECLK) U2.2(CLK)
EECS: R9.1 U1.45(EECS) U2.1(CS)
EEDATA: R11.1 R12.1 U1.43(EEDATA) U2.3(DI)
EPAD1: U3.29
EPAD2: U3.30
EX_IO1_1N: J15.3 RN1.6
EX_IO1_1P: J15.4 RN1.5
EX_IO1_2N: J15.5 RN1.8
EX_IO1_2P: J15.6 RN1.7
EX_IO1_3N: J15.7 RN3.6
EX_IO1_3P: J15.8 RN3.5
EX_IO1_4N: J15.9 RN3.8
EX_IO1_4P: J15.10 RN3.7
EX_IO1_5N: J15.11 RN5.6
EX_IO1_5P: J15.12 RN5.5
EX_IO1_6N: J15.13 RN5.8
EX_IO1_6P: J15.14 RN5.7
EX_IO1_7N: J15.15 RN7.6
EX_IO1_7P: J15.16 RN7.5
EX_IO1_8N: J15.17 RN7.8
EX_IO1_8P: J15.18 RN7.7
EX_IO1_9N: J15.19 RN9.6
EX_IO1_9P: J15.20 RN9.5
EX_IO1_10N: J15.21 RN9.8
EX_IO1_10P: J15.22 RN9.7
EX_IO1_11N: J15.23 RN11.6
EX_IO1_11P: J15.24 RN11.5
EX_IO1_12N: J15.25 RN11.8
EX_IO1_12P: J15.26 RN11.7
EX_IO1_13N: J15.27 RN13.6
EX_IO1_13P: J15.28 RN13.5
EX_IO1_14N: J15.29 RN13.8
EX_IO1_14P: J15.30 RN13.7
EX_IO1_15N: J15.31 RN15.6
EX_IO1_15P: J15.32 RN15.5
EX_IO1_16N: J15.33 RN15.8
EX_IO1_16P: J15.34 RN15.7
EX_IO1_17N: J15.35 RN17.8
EX_IO1_17P: J15.36 RN17.7
EX_IO2_1N: J16.3 RN2.6
EX_IO2_1P: J16.4 RN2.5
EX_IO2_2N: J16.5 RN2.8
EX_IO2_2P: J16.6 RN2.7
EX_IO2_3N: J16.7 RN4.6
EX_IO2_3P: J16.8 RN4.5
EX_IO2_4N: J16.9 RN4.8
EX_IO2_4P: J16.10 RN4.7
EX_IO2_5N: J16.11 RN6.6
EX_IO2_5P: J16.12 RN6.5
EX_IO2_6N: J16.13 RN6.8
EX_IO2_6P: J16.14 RN6.7
EX_IO2_7N: J16.15 RN8.6
EX_IO2_7P: J16.16 RN8.5
EX_IO2_8N: J16.17 RN8.8
EX_IO2_8P: J16.18 RN8.7
EX_IO2_9N: J16.19 RN10.6
EX_IO2_9P: J16.20 RN10.5
EX_IO2_10N: J16.21 RN10.8
EX_IO2_10P: J16.22 RN10.7
EX_IO2_11N: J16.23 RN12.6
EX_IO2_11P: J16.24 RN12.5
EX_IO2_12N: J16.25 RN12.8
EX_IO2_12P: J16.26 RN12.7
EX_IO2_13N: J16.27 RN14.6
EX_IO2_13P: J16.28 RN14.5
EX_IO2_14N: J16.29 RN14.8
EX_IO2_14P: J16.30 RN14.7
EX_IO2_15N: J16.31 RN16.6
EX_IO2_15P: J16.32 RN16.5
EX_IO2_16N: J16.33 RN16.8
EX_IO2_16P: J16.34 RN16.7
EX_IO2_17N: J16.35 RN18.8
EX_IO2_17P: J16.36 RN18.7
FPGA_TCK: CON1.78 R3.1
FPGA_TDI: CON1.80 R4.1
FPGA_TDO: CON1.79 R5.1
FPGA_TMS: CON1.77 R6.1
HDMI-VCC1: F1.2 J9.18(+5V) R53.2 R54.2
HP_DET: J9.19(HP DET) R47.2 R52.1
IO1_1N: CON2.51 RN1.3
IO1_1P: CON2.53 RN1.4
IO1_2N: CON2.45 RN1.1
IO1_2P: CON2.47 RN1.2
IO1_3N: CON2.41 RN3.3
IO1_3P: CON2.43 RN3.4
IO1_4N: CON4.44 RN3.1
IO1_4P: CON4.42 RN3.2
IO1_5N: CON4.58 RN5.3
IO1_5P: CON4.56 RN5.4
IO1_6N: CON4.67 RN5.1
IO1_6P: CON4.65 RN5.2
IO1_7N: CON4.68 RN7.3
IO1_7P: CON4.66 RN7.4
IO1_8N: CON4.73 RN7.1
IO1_8P: CON4.71 RN7.2
IO1_9N: CON4.74 RN9.3
IO1_9P: CON4.72 RN9.4
IO1_10N: CON4.78 RN9.1
IO1_10P: CON4.76 RN9.2
IO1_11N: CON4.80 RN11.3
IO1_11P: CON4.79 RN11.4
IO1_12N: CON2.15 RN11.1
IO1_12P: CON2.17 RN11.2
IO1_13N: CON2.5 RN13.3
IO1_13P: CON2.7 RN13.4
IO1_14N: CON2.6 RN13.1
IO1_14P: CON2.8 RN13.2
IO1_15N: CON2.2 RN15.3
IO1_15P: CON2.4 RN15.4
IO1_16N: CON3.41 RN15.1
IO1_16P: CON3.43 RN15.2
IO1_17N: CON3.37 RN17.1
IO1_17P: CON3.35 RN17.2
IO2_1N: CON2.13 RN2.3
IO2_1P: CON2.11 RN2.4
IO2_2N: CON2.18 RN2.1
IO2_2P: CON2.16 RN2.2
IO2_3N: CON2.28 RN4.3
IO2_3P: CON2.26 RN4.4
IO2_4N: CON2.34 RN4.1
IO2_4P: CON2.32 RN4.2
IO2_5N: CON2.38 RN6.3
IO2_5P: CON2.36 RN6.4
IO2_6N: CON2.44 RN6.1
IO2_6P: CON2.42 RN6.2
IO2_7N: CON2.48 RN8.3
IO2_7P: CON2.46 RN8.4
IO2_8N: CON2.54 RN8.1
IO2_8P: CON2.52 RN8.2
IO2_9N: CON2.58 RN10.3
IO2_9P: CON2.56 RN10.4
IO2_10N: CON2.64 RN10.1
IO2_10P: CON2.62 RN10.2
IO2_11N: CON2.63 RN12.3
IO2_11P: CON2.61 RN12.4
IO2_12N: CON2.68 RN12.1
IO2_12P: CON2.66 RN12.2
IO2_13N: CON2.78 RN14.3
IO2_13P: CON2.76 RN14.4
IO2_14N: CON2.74 RN14.1
IO2_14P: CON2.72 RN14.2
IO2_15N: CON2.67 RN16.3
IO2_15P: CON2.65 RN16.4
IO2_16N: CON2.73 RN16.1
IO2_16P: CON2.71 RN16.2
IO2_17N: CON2.77 RN18.1
IO2_17P: CON2.75 RN18.2
OTG_CLK: CON1.52 R37.1
OTG_D_N: R150.1 U7.19(DM)
OTG_D_P: R151.1 U7.18(DP)
OTG_DATA0: CON1.56 U7.3(DATA0)
OTG_DATA1: CON1.58 U7.4(DATA1)
OTG_DATA2: CON1.62 U7.5(DATA2)
OTG_DATA3: CON1.64 U7.6(DATA3)
OTG_DATA4: CON1.66 U7.7(DATA4)
OTG_DATA5: CON1.68 U7.9(DATA5)
OTG_DATA6: CON1.72 U7.10(DATA6)
OTG_DATA7: CON1.74 U7.13(DATA7)
OTG_DIR: CON1.48 U7.31(DIR)
OTG_ID: R162.1 U7.23(ID)
OTG_NXT: CON1.54 U7.2(NXT)
OTG_RESET: CON1.33 D2.1(CATHODE) D3.1(CATHODE)
OTG_STP: CON1.46 U7.29(STP)
PHY1_125M_CLK: R29.1 U6.41(CLK125_NDO/LED_MODE)
PHY1_AD0/LED1: R21.1 R27.1 U6.17(LED1 / PME_N1/PHYAD0)
PHY1_AD1/LED2: R22.1 R35.2 U6.15(LED2/PHYAD1)
PHY1_AVDDH: C31.1 C32.1 C33.1 L4.2 U6.1(AVDDH1) U6.12(AVDDH2) U6.47(NC2)
PHY1_AVDDL: C43.1 C44.1 C45.1 L6.2 U6.4(AVDDL2) U6.9(AVDDL1)
PHY1_AVDDL_PLL: C40.1 C41.1 C42.1 L5.2 U6.44(AVDDL_PLL)
PHY1_MDC: CON1.42 U6.36(MDC)
PHY1_MDI0_N: J4.P3(TRD0-) U6.3(TXRXM_A)
PHY1_MDI0_P: J4.P2(TRD0+) U6.2(TXRXP_A)
PHY1_MDI1_N: J4.P7(TRD1-) U6.6(TXRXM_B)
PHY1_MDI1_P: J4.P4(TRD1+) U6.5(TXRXP_B)
PHY1_MDI2_N: J4.P6(TRD2-) U6.8(TXRXM_C)
PHY1_MDI2_P: J4.P5(TRD2+) U6.7(TXRXP_C)
PHY1_MDI3_N: J4.P9(TRD3-) U6.11(TXRXM_D)
PHY1_MDI3_P: J4.P8(TRD3+) U6.10(TXRXP_D)
PHY1_MDIO: CON1.44 R24.1 U6.37(MDIO)
PHY1_RESET: CON1.31 D1.1(CATHODE)
PHY1_RXCK: CON1.38 R34.2 U6.35(RX_CLK/PHYAD2)
PHY1_RXCTL: CON1.36 R28.1 U6.33(RX_DV/CLK125_EN)
PHY1_RXD0: CON1.34 R33.1 U6.32(RXD0/MODE0)
PHY1_RXD1: CON1.32 R32.1 U6.31(RXD1/MODE1)
PHY1_RXD2: CON1.28 R31.1 U6.28(RXD2/MODE2)
PHY1_RXD3: CON1.26 R30.1 U6.27(RXD3/MODE3)
PHY1_TXCK: CON1.22 U6.24(GTX_CLK)
PHY1_TXCTL: CON1.24 U6.25(TX_EN)
PHY1_TXD0: CON1.12 U6.19(TXD0)
PHY1_TXD1: CON1.14 U6.20(TXD1)
